# KiCad board mx-unsaver-main.kicad_pcb (continued)
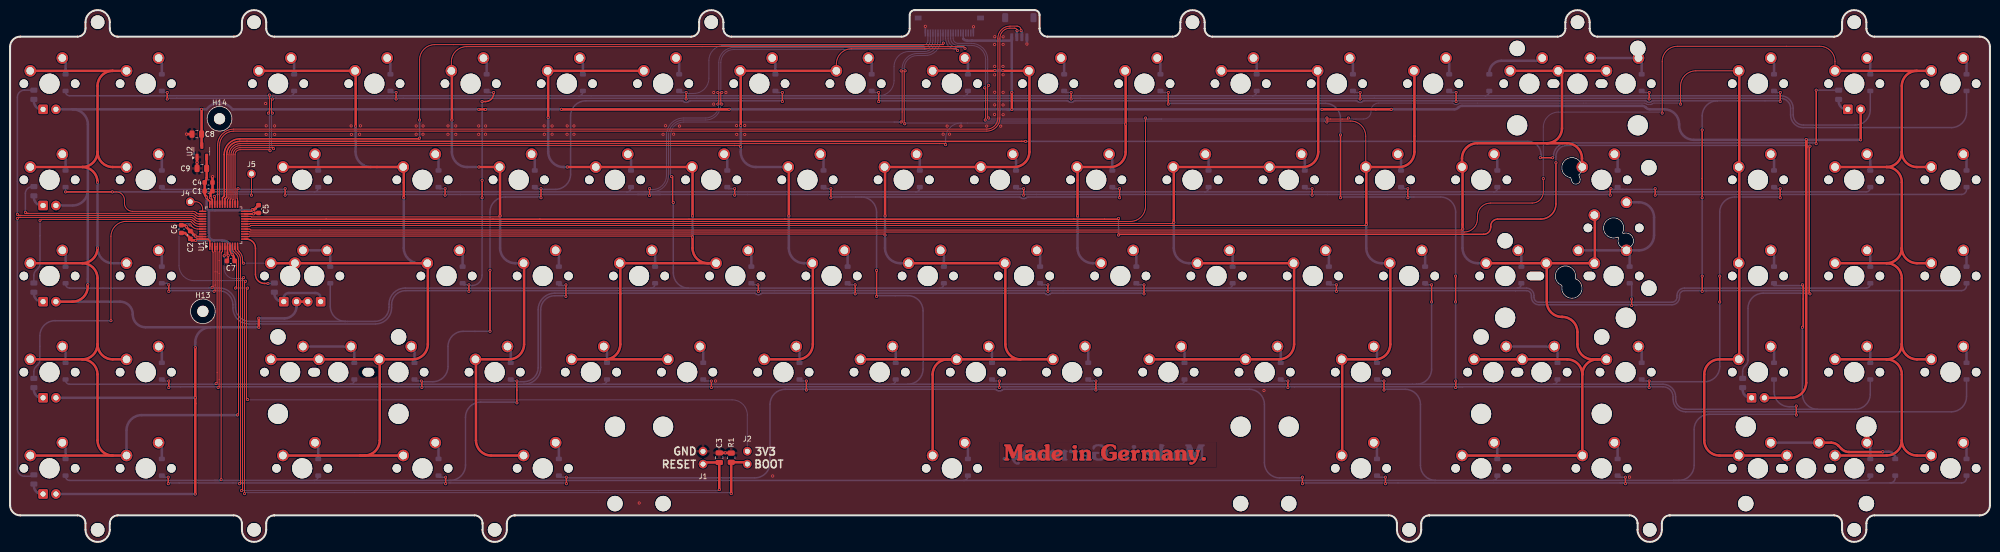
[diagram p0: board, top side]
## Footprints (pads in the part's own frame, mm; a bottom-side part is the same pattern mirrored in y, then rotated) (continued)
  round 3.988 hole 3.988 unplated: (-66.675,-8.255) (-57.15,-8.255) (57.15,-8.255) (66.675,-8.255)
SW_MX_1u_3pin
  round 3.988 hole 3.988 unplated: (0,0)
  round 2.3 hole 1.524: 1(-3.81,2.54) 2(2.54,5.08)
SW_MX_1u_NoHoles
  round 2.3 hole 1.524: 1(-3.81,2.54) 2(2.54,5.08)
SW_MX_1u_PCBMount
  round 1.702 hole 1.702 unplated: (-5.08,0) (5.08,0)
  round 3.988 hole 3.988 unplated: (0,0)
  round 2.3 hole 1.524: 1(-3.81,2.54) 2(2.54,5.08)
SW_MX_1u_PCBMount_NoLeft
  round 3.988 hole 3.988 unplated: (0,0)
  round 1.702 hole 1.702 unplated: (5.08,0)
  round 2.3 hole 1.524: 1(-3.81,2.54) 2(2.54,5.08)
SW_MX_1u_PCBMount_NoMiddle
  round 1.702 hole 1.702 unplated: (-5.08,0) (5.08,0)
  round 2.3 hole 1.524: 1(-3.81,2.54) 2(2.54,5.08)
SW_MX_1u_PCBMount_NoRight
  round 1.702 hole 1.702 unplated: (-5.08,0)
  round 3.988 hole 3.988 unplated: (0,0)
  round 2.3 hole 1.524: 1(-3.81,2.54) 2(2.54,5.08)

## Nets
+3V3: C1.1 C2.1 C4.1 C5.1 C6.1 C7.1 C9.1 J2.1 U1.1 U1.9 U1.24 U1.36 U1.48 U2.2
+5V: C8.1 D71.2 D72.2 D73.2 D78.2 D86.2 D87.2 D135.2 D136.2 D137.2 J3.1 J6.16 U2.3
GND: C1.2 C2.2 C3.2 C4.2 C5.2 C6.2 C7.2 C8.2 C9.2 J1.2 J3.4 J3.MP J6.1 J6.20 J6.MP R1.2 U1.8 U1.23 U1.35 U1.47 U2.1
BOOT0: J2.2 R1.1 U1.44
COL0: MX1.1 MX2.1 MX3.1 MX4.1 MX5.1 MX6.1 MX7.1 MX8.1 MX9.1 MX10.1 U1.10
COL1: MX11.1 MX12.1 MX13.1 MX14.1 MX15.1 MX16.1 MX17.1 MX18.1 MX19.1 MX20.1 MX121.1 MX122.1 U1.12
COL2: J6.10 MX26.1 MX27.1 MX28.1 MX29.1 MX30.1 U1.22
COL3: MX31.1 MX32.1 MX33.1 MX34.1 MX35.1 MX36.1 MX37.1 MX38.1 U1.14
COL4: J6.9 MX46.1 MX47.1 MX48.1 MX49.1 MX50.1 U1.28
COL5: MX51.1 MX52.1 MX53.1 MX54.1 MX55.1 MX56.1 MX57.1 MX58.1 MX59.1 MX60.1 U1.15
COL6: J6.7 MX67.1 MX68.1 MX69.1 U1.29
COL7: MX71.1 MX72.1 MX73.1 MX74.1 MX75.1 MX76.1 MX77.1 MX78.1 U1.19
COL8: J6.11 MX85.1 MX86.1 MX87.1 MX88.1 MX89.1 U1.18
COL9: MX91.1 MX92.1 MX93.1 MX94.1 MX95.1 MX96.1 MX97.1 MX98.1 MX99.1 MX100.1 MX123.1 MX124.1 MX125.1 MX126.1 U1.17
COL10: J6.12 MX106.1 MX107.1 MX108.1 MX109.1 MX110.1 MX127.1 U1.20
COL11: MX111.1 MX112.1 MX113.1 MX114.1 MX115.1 MX116.1 MX117.1 MX118.1 MX119.1 MX120.1 U1.16
D+: J3.3 U1.33
D-: J3.2 U1.32
LED_CAPS: R8.2 U1.13
LED_COM: J6.8 U1.31
LED_LAYER1: R19.2 U1.40
LED_LAYER2: R2.2 U1.39
LED_LAYER3: R3.2 U1.42
LED_LAYER4: R4.2 U1.43
LED_LAYER5: R6.2 U1.41
LED_NUM: R18.2 U1.21
LED_SCLK: R17.2 U1.30
NRST: C3.1 J1.1 U1.7
ROW0: D1.1 D11.1 D31.1 D51.1 D74.1 D102.1 D125.1 J6.5 U1.26
ROW1: D2.1 D12.1 D32.1 D52.1 D75.1 D103.1 D126.1 J6.2 U1.27
ROW2: D3.1 D13.1 D33.1 D53.1 D76.1 D104.1 D127.1 J6.3 U1.25
ROW3: D4.1 D14.1 D34.1 D54.1 D77.1 D105.1 D128.1 J6.4 U1.38
ROW4: D5.1 D15.1 D35.1 D55.1 D79.1 D112.1 D129.1 J6.6 U1.2
ROW5: D6.1 D16.1 D26.1 D36.1 D46.1 D56.1 D80.1 D93.1 D106.1 D120.1 D130.1 U1.3
ROW6: D7.1 D17.1 D27.1 D37.1 D47.1 D57.1 D67.1 D81.1 D94.1 D107.1 D121.1 D131.1 U1.5
ROW7: D8.1 D18.1 D28.1 D38.1 D48.1 D58.1 D68.1 D82.1 D95.1 D108.1 D122.1 D132.1 U1.4
ROW8: D9.1 D19.1 D29.1 D49.1 D59.1 D69.1 D96.1 D109.1 D123.1 D133.1 U1.6
ROW9: D10.1 D20.1 D30.1 D50.1 D60.1 D97.1 D110.1 D124.1 D134.1 U1.11
SWC: J4.1 U1.37
SWD: J5.1 U1.34
Net-(D1-A): D1.2 MX1.2
Net-(D2-A): D2.2 MX2.2
Net-(D3-A): D3.2 MX3.2
Net-(D4-A): D4.2 MX4.2
Net-(D5-A): D5.2 MX5.2
Net-(D6-A): D6.2 MX6.2
Net-(D7-A): D7.2 MX7.2
Net-(D8-A): D8.2 MX8.2
Net-(D9-A): D9.2 MX9.2
Net-(D10-A): D10.2 MX10.2
Net-(D11-A): D11.2 MX11.2
Net-(D12-A): D12.2 MX12.2
Net-(D13-A): D13.2 MX13.2
Net-(D14-A): D14.2 MX14.2
Net-(D15-A): D15.2 MX15.2 MX122.2
Net-(D16-A): D16.2 MX16.2
Net-(D17-A): D17.2 MX17.2
Net-(D18-A): D18.2 MX18.2 MX121.2
Net-(D19-A): D19.2 MX19.2
Net-(D20-A): D20.2 MX20.2
Net-(D26-A): D26.2 MX26.2
Net-(D27-A): D27.2 MX27.2
Net-(D28-A): D28.2 MX28.2
Net-(D29-A): D29.2 MX29.2
Net-(D30-A): D30.2 MX30.2
Net-(D31-A): D31.2 MX31.2
Net-(D32-A): D32.2 MX32.2
Net-(D33-A): D33.2 MX33.2
Net-(D34-A): D34.2 MX34.2
Net-(D35-A): D35.2 MX35.2
Net-(D36-A): D36.2 MX36.2
Net-(D37-A): D37.2 MX37.2
Net-(D38-A): D38.2 MX38.2
Net-(D46-A): D46.2 MX46.2
Net-(D47-A): D47.2 MX47.2
Net-(D48-A): D48.2 MX48.2
Net-(D49-A): D49.2 MX49.2
Net-(D50-A): D50.2 MX50.2
Net-(D51-A): D51.2 MX51.2
Net-(D52-A): D52.2 MX52.2
Net-(D53-A): D53.2 MX53.2
Net-(D54-A): D54.2 MX54.2
Net-(D55-A): D55.2 MX55.2
Net-(D56-A): D56.2 MX56.2
Net-(D57-A): D57.2 MX57.2
Net-(D58-A): D58.2 MX58.2
Net-(D59-A): D59.2 MX59.2
Net-(D60-A): D60.2 MX60.2
Net-(D67-A): D67.2 MX67.2
Net-(D68-A): D68.2 MX68.2
Net-(D69-A): D69.2 MX69.2
Net-(D71-K): D71.1 R2.1
Net-(D72-K): D72.1 R3.1
Net-(D73-K): D73.1 R4.1
Net-(D74-A): D74.2 MX71.2
Net-(D75-A): D75.2 MX72.2
Net-(D76-A): D76.2 MX73.2
Net-(D77-A): D77.2 MX74.2
Net-(D78-K): D78.1 D86.1 R8.1
Net-(D79-A): D79.2 MX75.2
Net-(D80-A): D80.2 MX76.2
Net-(D81-A): D81.2 MX77.2
Net-(D82-A): D82.2 MX78.2
Net-(D87-K): D87.1 R6.1
Net-(D93-A): D93.2 MX85.2
Net-(D94-A): D94.2 MX86.2
Net-(D95-A): D95.2 MX87.2
Net-(D96-A): D96.2 MX88.2
Net-(D97-A): D97.2 MX89.2
Net-(D102-A): D102.2 MX91.2
Net-(D103-A): D103.2 MX92.2 MX123.2
Net-(D104-A): D104.2 MX93.2
Net-(D105-A): D105.2 MX94.2
Net-(D106-A): D106.2 MX95.2 MX124.2 MX125.2
Net-(D107-A): D107.2 MX96.2
Net-(D108-A): D108.2 MX97.2 MX126.2
Net-(D109-A): D109.2 MX98.2
Net-(D110-A): D110.2 MX99.2
Net-(D112-A): D112.2 MX100.2
Net-(D120-A): D120.2 MX106.2
Net-(D121-A): D121.2 MX107.2
Net-(D122-A): D122.2 MX108.2
Net-(D123-A): D123.2 MX109.2
Net-(D124-A): D124.2 MX110.2 MX127.2
Net-(D125-A): D125.2 MX111.2
Net-(D126-A): D126.2 MX112.2
Net-(D127-A): D127.2 MX113.2
Net-(D128-A): D128.2 MX114.2
Net-(D129-A): D129.2 MX115.2
Net-(D130-A): D130.2 MX116.2
Net-(D131-A): D131.2 MX117.2
Net-(D132-A): D132.2 MX118.2
Net-(D133-A): D133.2 MX119.2
Net-(D134-A): D134.2 MX120.2
Net-(D135-K): D135.1 R18.1
Net-(D136-K): D136.1 R17.1
Net-(D137-K): D137.1 R19.1

Pads without a net: J6 13 14 15 17 18 19; U1 45 46

## Via types
v1: diameter 0.6, hole 0.3, Top to Bottom, 321 vias

## Routing (per net, layer and track width the routed paths; a pad name or vN(x,y) marks a point on that pad's centre or on a via; arc(x,y) is an arc through that point)
+3V3: length 189.5
  Top w0.2: v1(47,50.29) 46.81,50.29 46.8,50.28 46.8,28.2 v1(47,28.2) ; v1(44.6,50.29) 44.8,50.49 44.8,55.31 C7.1
  Top w0.3: v1(47.92,65.77) 47.92,65.76 47.95,65.74 47.7,65.49 U1.24 ; v1(36.73,59.74) 36.97,59.99 U1.48 39.18,59.99 39.52,59.64 U1.1 ; v1(38.89,68.31) 38.89,68.03 39.52,67.4 U1.36 ; U1.9 43.52,57.8 arc(43.6,57.42) 43.81,57.1 v1(43.94,56.96)
  Top w0.5: 44.3,55.64 44.3,56.2 arc(44.22,56.58) 44,56.91 v1(43.94,56.96) ; v1(36.73,59.74) 35.96,59.74 C2.1 35.67,60.14 34.62,61.19 C6.1 ; v1(38.89,68.31) 38.8,68.4 arc(38.58,68.72) 38.5,69.1 C1.1 C4.1 38.5,71.32 38.61,71.42 arc(38.82,71.75) 38.9,72.13 C9.1 U2.2 ; v1(47.92,65.77) 48.02,65.87 48.35,65.87 48.35,65.88 C5.1 ; 49.19,66.57 49.19,66.6
  Bottom w0.2: v1(44.6,50.29) v1(47,50.29) ; v1(47,28.2) 47,28.15 142.91,28.15 arc(145.03,27.27) 145.91,25.15 J2.1
  Bottom w0.5: 40.35,59.74 v1(36.73,59.74) ; 40.35,59.74 41.94,59.74 arc(43.36,59.16) 43.94,57.74 v1(43.94,56.96) ; 40.35,59.74 arc(39.64,60.04) 39.35,60.74 39.35,65.68 ; 47.95,65.74 47.9,65.68 39.35,65.68 ; 39.35,65.68 39.29,65.68 arc(39,65.8) 38.89,66.08 v1(38.89,68.31)
+5V: length 661.7
  Top w0.5: v1(36.65,38.46) v1(36.65,28.55) v1(36.65,9.49) ; 355.48,78.16 355.48,79.7 v1(355.49,79.7) ; 355.48,78.16 355.48,31.55 arc(354.6,29.42) 352.48,28.55 D135.2 ; 355.48,78.16 355.48,79.65 355.49,79.65 ; v1(15.37,50.94) 15.37,50.6 arc(14.49,48.47) 12.37,47.6 D72.2 ; D86.2 D78.2 56.69,47.11 ; v1(259.65,85.69) 273.35,85.69 v1(273.35,85.7) ; v1(198.26,89.03) v1(198.26,85.66) ; v1(49.22,42.53) 49.23,42.53 v1(49.23,44.33) ; D136.2 v1(366.26,79.65) ; v1(37.89,85.7) 37.9,85.7 C8.1 37.9,78.52 U2.3 ; v1(142.3,85.7) 142.3,85.68 109.13,85.68 v1(109.13,85.7) ; v1(92.77,85.69) 94.07,85.69 v1(94.07,85.68)
  Bottom w0.3: 188.66,99.64 188.64,99.64 J6.16
  Bottom w0.5: 38.93,85.72 arc(41.48,86.97) 44,85.67 44,85.7 92.77,85.7 v1(92.77,85.69) ; 15.37,69.35 15.37,50.94 v1(15.37,50.94) ; v1(49.23,44.33) 49.23,44.28 54.29,44.28 arc(55.99,44.98) 56.69,46.68 D78.2 ; 197.35,85.7 v1(142.3,85.7) ; 197.35,85.7 259.65,85.7 v1(259.65,85.69) ; 197.35,85.7 198.26,85.7 v1(198.26,85.66) ; 39.65,42.53 v1(49.22,42.53) ; 39.65,42.53 26.78,42.53 arc(25.01,43.26) 24.28,45.03 24.28,45.1 arc(23.55,46.86) 21.78,47.6 D72.2 ; 39.65,42.53 arc(37.53,41.65) 36.65,39.53 v1(36.65,38.46) ; 188.66,99.64 188.7,99.6 arc(189.02,99.38) 189.4,99.31 190.42,99.31 190.42,99.31 198.24,99.31 J3.1 198.24,89.03 v1(198.26,89.03) ; D73.2 v1(36.65,28.55) ; 38.92,85.7 v1(37.89,85.7) 12.39,85.7 ; v1(366.26,79.65) 333.22,79.65 arc(331.17,80.49) 330.32,82.55 330.32,82.8 arc(329.47,84.85) 327.42,85.7 324.52,85.7 arc(324.13,85.77) 323.81,85.99 323.72,86.08 arc(323.39,86.3) 323.01,86.38 287.37,86.38 arc(286.99,86.3) 286.67,86.08 286.57,85.99 arc(286.25,85.77) 285.87,85.7 v1(273.35,85.7) ; D87.2 36.65,9.5 v1(36.65,9.49) ; D71.2 12.39,66.65 arc(14.51,67.52) 15.39,69.65 15.39,82.7 arc(14.51,84.82) 12.39,85.7 ; 12.39,85.7 D137.2 ; 94.07,85.7 v1(109.13,85.7)
GND: length 29.6
  Top w0.2: 196.53,100.06 v1(196.53,100.06)
  Top w0.3: v1(36.73,60.59) 36.84,60.49 U1.47 ; 42.9,55.66 43.17,55.66 v1(43.17,56.76) 43.02,56.76 43.02,57.4 ; 43.02,57.4 43.02,56.97 ; 43.02,57.4 U1.8 ; v1(39.67,68.16) 40.02,67.82 U1.35 40.02,67.64 ; v1(48.18,64.99) U1.23 47.93,64.99
  Top w0.5: C3.2 v1(141.55,17.64) 142.72,17.64 R1.2 ; 39.67,68.16 39.67,69.12 C1.2 C4.2 40.05,72.32 v1(40.08,72.35) ; C9.2 v1(37,75.18) U2.1 ; C6.2 34.58,62.74 v1(34.89,62.43) 34.89,62.36 C2.2 36.66,60.59 v1(36.73,60.59) ; v1(48.18,64.99) 48.36,65.17 C5.2 ; C8.2 v1(34.92,80.79)
  Bottom w0.3: J6.20 190.64,102.05 v1(190.67,102.05) ; J6.1 181.14,102.14 v1(181.13,102.14) ; 143.81,82.47 v1(143.79,82.47) ; 145.4,82.49 v1(145.39,82.49) ; 139.26,86.72 v1(139.26,86.73) ; 139.2,89.03 v1(139.26,89.03)
  Bottom w0.5: J3.4 201.24,98.63 v1(201.24,98.63)
  vias: v1(50.57,86.84) v1(50.69,82.43) v1(50.68,80.73) v1(52.34,82.41) v1(52.37,80.74) v1(67.49,82.41) v1(67.55,80.73) v1(69.17,80.76) v1(69.34,82.42) v1(80.37,82.4) v1(80.36,80.76) v1(81.73,82.4) v1(81.72,80.77) v1(86.67,82.41) v1(86.66,80.76) v1(88.2,82.4) v1(88.21,80.75) v1(92.74,82.41) v1(92.75,80.75) v1(94.11,82.4) v1(94.09,80.77) v1(105.69,82.41) v1(105.73,80.76) v1(107.27,82.4) v1(107.27,80.77) v1(110.23,80.76) v1(110.25,82.41) v1(111.6,82.4) v1(111.6,80.76) v1(124.51,7.71) v1(129.23,80.75) v1(129.7,82.44) v1(131.32,80.77) v1(132.48,82.38) v1(139.6,31.88) v1(141.67,89.03) v1(143.81,80.74) v1(145.4,80.71) v1(150.93,13.06) v1(184.66,80.78) v1(185.45,82.38) v1(185.93,80.78) v1(188.18,82.38) v1(193.29,82.38) v1(194.89,100.08) v1(194.86,98.54) v1(194.87,94.21) v1(194.86,92.54) v1(194.87,89.08) v1(194.87,86.58) v1(194.85,84.68) v1(196.06,82.36) v1(196.53,98.55) v1(196.51,94.2) v1(196.53,92.54) v1(196.53,89.06) v1(196.52,86.56) v1(196.53,84.64) v1(248.16,30) v1(320.5,12.83)
BOOT0: length 176.5
  Top w0.2: 142.72,9.57 v1(142.72,9.57) ; v1(35.61,62.79) 35.68,62.79 36.02,62.45 arc(36.54,62.11) 37.15,61.99 U1.44 ; v1(46.4,9.57) 46.4,9.57 46.4,51.62 46.42,51.63 v1(46.6,51.63)
  Top w0.5: v1(142.72,9.57) 142.72,15.77 R1.1 145.91,15.77 J2.2
  Bottom w0.2: v1(46.4,9.57) 46.6,9.77 142.72,9.77 v1(142.72,9.57) ; 46.48,51.76 v1(46.6,51.63) 46.6,51.76 36.43,51.76 arc(34.31,52.63) 33.43,54.76 33.43,61.63 arc(33.84,62.62) 34.83,63.03 35.37,63.03 v1(35.61,62.79)
COL0: length 245.8
  Top w0.2: U1.10 44.02,57.99 arc(44.07,57.76) 44.2,57.56 44.79,56.96 arc(45.1,56.51) 45.2,55.97 45.2,25.16 v1(45,25.16)
  Top w0.5: 23.14,74.16 MX3.1 20.3,74.27 arc(18.18,75.14) 17.3,77.27 ; 20.3,93.32 MX1.1 3.99,92.99 4.09,92.88 ; 20.3,93.32 MX2.1 ; 20.3,93.32 arc(18.18,92.44) 17.3,90.32 17.3,77.27 ; 4.09,74.37 MX4.1 14.3,74.27 ; 17.3,39.17 17.3,52.22 arc(16.42,54.34) 14.3,55.22 ; 17.3,39.17 arc(16.42,37.04) 14.3,36.17 ; 17.3,39.17 arc(18.18,37.04) 20.3,36.17 MX7.1 23.14,36.06 ; 14.3,55.22 MX5.1 3.99,54.99 4.09,54.88 ; 14.3,55.22 arc(16.42,56.09) v1(17.3,58.22) ; 14.3,36.17 MX8.1 4.09,36.27 ; 14.3,36.17 arc(16.42,35.29) 17.3,33.17 17.3,20.12 arc(18.18,17.99) 20.3,17.12 ; 17.3,77.27 arc(16.42,75.14) 14.3,74.27 ; 20.3,17.12 MX10.1 23.14,17.22 ; 20.3,17.12 MX9.1 ; 14.3,74.27 arc(16.42,73.39) v1(17.3,71.27) ; 23.14,55.32 MX6.1
  Bottom w0.5: v1(17.3,71.27) v1(17.3,58.22) arc(18.18,56.09) 20.3,55.22 MX6.1 ; MX10.1 23.04,22.12 arc(23.92,24.24) 26.04,25.12 45,25.12 v1(45,25.16)
COL1: length 228.5
  Top w0.2: 45.02,58.24 U1.12 45.02,58.28 arc(45.1,57.9) 45.31,57.58 45.36,57.53 arc(45.84,56.81) 46,55.97 46,55.22 v1(46.2,55.22)
  Top w0.5: MX17.1 73.15,36.06 73.15,20.12 arc(72.27,17.99) 70.15,17.12 69.27,17.12 ; MX17.1 79.68,36.17 arc(81.8,37.04) 82.68,39.17 82.68,55.11 MX16.1 MX122.1 MX15.1 51.72,55.11 ; MX17.1 MX18.1 ; MX19.1 69.27,17.12 ; 69.27,17.12 MX20.1 ; 54.1,74.16 MX14.1 MX13.1 77.91,74.16 v1(77.91,68.18) ; 49.34,93.21 MX11.1 MX12.1 68.39,93.32 68.39,82.38 v1(68.38,82.38)
  Bottom w0.2: MX15.1 v1(46.2,55.22)
  Bottom w0.5: v1(77.91,68.18) 77.91,58.22 arc(78.79,56.09) 80.91,55.22 MX16.1 ; v1(68.38,82.38) 68.37,82.38 68.37,77.27 arc(69.25,75.14) 71.37,74.27 MX13.1 ; 54,74.78 MX14.1
COL2: length 266.2
  Top w0.2: U1.22 47.68,64.49 47.78,64.39 96.78,64.39 v1(96.98,64.59) ; MX26.1 87.33,95.11 arc(88.21,97.23) 90.33,98.11 188.64,98.11 arc(188.89,98) v1(189,97.75)
  Top w0.5: MX28.1 101.73,55.11 101.73,39.17 arc(100.85,37.04) 98.73,36.17 MX29.1 92.2,36.06 92.2,20.12 arc(93.08,17.99) 95.2,17.12 MX30.1 ; MX27.1 96.96,74.27 96.96,64.6 v1(96.98,64.59) ; MX27.1 96.96,74.16 ; MX27.1 v1(92.77,74.27) ; v1(87.44,83.57) 87.44,93.21 MX26.1
  Bottom w0.2: J6.10 185.64,99.75 arc(186.17,98.47) 187.44,97.95 189,97.95 v1(189,97.75)
  Bottom w0.5: v1(92.77,74.27) 90.44,74.27 arc(88.32,75.14) 87.44,77.27 v1(87.44,83.57) ; MX28.1 99.98,55.22 arc(97.86,56.09) 96.98,58.22 v1(96.98,64.59)
COL3: length 235.7
  Top w0.2: U1.14 47.33,60.49 47.43,60.59 135.06,60.59 v1(135.06,60.39)
  Top w0.5: MX32.1 MX31.1 106.49,93.21 v1(106.49,84.08) ; MX38.1 117.78,36.17 ; 117.78,36.17 MX37.1 ; 117.78,36.17 arc(119.9,37.04) 120.78,39.17 120.78,55.11 MX35.1 MX36.1 138.06,55.22 arc(135.94,56.09) 135.06,58.22 v1(135.06,60.39) ; MX33.1 MX34.1 v1(110.28,74.27) ; MX33.1 135.06,74.16 v1(135.06,64.59) ; MX33.1 135.06,74.27
  Bottom w0.5: v1(110.28,74.27) 109.5,74.27 arc(107.38,75.14) 106.5,77.27 106.5,84.08 v1(106.49,84.08) ; v1(135.06,64.59) v1(135.06,60.39)
COL4: length 240.5
  Top w0.2: v1(144.6,78.3) 144.4,78.5 45.52,78.5 arc(44.25,77.97) 43.72,76.7 43.72,67.96 43.52,67.75 U1.28 ; MX46.1 163.53,94.7 arc(164.41,96.82) 166.53,97.7 187.18,97.7 arc(187.42,97.59) v1(187.53,97.35)
  Top w0.5: 154.12,74.27 MX48.1 154.13,74.14 v1(154.13,64.59) ; v1(144.59,82.47) 144.6,82.47 144.6,93.32 MX47.1 MX46.1 ; MX50.1 155.88,36.17 arc(158,37.04) 158.88,39.17 158.88,55.22 MX49.1
  Bottom w0.2: J6.9 185.14,99.75 arc(185.79,98.19) 187.34,97.55 187.34,97.35 v1(187.53,97.35)
  Bottom w0.5: v1(154.13,64.59) 154.13,64.5 154.12,64.49 154.12,58.22 arc(155,56.09) 157.12,55.22 MX49.1 ; MX48.1 147.6,74.27 arc(145.48,75.14) 144.6,77.27 144.6,82.47 v1(144.59,82.47)
COL5: length 315.8
  Top w0.2: v1(173.16,60.79) 173.16,60.99 U1.15
  Top w0.5: MX57.1 MX58.1 ; MX57.1 199.98,36.17 ; MX57.1 185.58,36.17 arc(183.46,35.29) 182.58,33.17 MX59.1 ; v1(173.17,64.59) 173.17,74.15 MX54.1 ; MX54.1 MX53.1 198.74,74.27 arc(200.86,75.14) 201.74,77.27 201.74,93.32 MX52.1 196.5,93.32 v1(196.5,93.38) ; MX54.1 173.16,74.27 ; MX55.1 MX56.1 196.98,55.22 196.98,39.17 arc(197.85,37.04) 199.98,36.17 ; v1(194.9,93.38) 194.9,93.32 MX51.1 ; 199.98,36.17 MX60.1
  Bottom w0.5: v1(194.9,93.38) v1(196.5,93.38) ; v1(173.17,64.59) 173.16,64.58 v1(173.16,60.79) 173.16,58.22 arc(174.04,56.09) 176.16,55.22 MX55.1
COL6: length 276.6
  Top w0.2: v1(185.16,78.7) 184.96,78.9 45.52,78.9 arc(43.96,78.25) 43.32,76.7 43.32,68.12 43.02,67.82 U1.29 ; 176.95,82.78 176.95,93.33 v1(177.15,93.33)
  Top w0.5: MX68.1 217.79,74.27 arc(219.91,75.14) 220.79,77.27 v1(220.79,82.77) 220.79,93.32 MX67.1 ; MX68.1 211.26,74.16 211.26,64.59 v1(211.26,64.59) ; MX68.1 211.26,74.27
  Bottom w0.2: 188.31,82.98 177.07,82.98 v1(177.07,82.82) ; 188.31,82.98 220.79,82.98 v1(220.79,82.77) ; 188.31,82.98 188.17,82.98 arc(186.05,82.1) 185.17,79.98 185.17,78.71 v1(185.16,78.7) ; v1(177.15,93.33) 176.95,93.33 176.95,93.76 arc(177.71,95.59) 179.55,96.36 181.14,96.36 arc(183.27,97.23) 184.14,99.36 J6.7
  Bottom w0.5: v1(211.26,64.59) 211.26,64.58 211.26,58.22 arc(212.14,56.09) 214.26,55.22 MX69.1
COL7: length 337.9
  Top w0.2: v1(230.32,63.29) 230.32,63.09 47.47,63.09 47.37,62.99 U1.19
  Top w0.5: MX71.1 MX72.1 258.9,93.32 258.9,77.27 arc(258.02,75.14) 255.9,74.27 MX73.1 MX74.1 230.31,74.27 230.31,63.29 v1(230.32,63.29) ; MX78.1 MX77.1 251.13,36.17 arc(253.25,37.04) 254.13,39.17 254.13,55.22 MX76.1 MX75.1
  Bottom w0.5: MX75.1 233.31,55.22 arc(231.19,56.09) 230.31,58.22 230.31,63.29 v1(230.32,63.29)
COL8: length 426.7
  Top w0.2: v1(192.99,83.58) 193.08,83.58 193.08,89.96 v1(192.88,89.96) ; v1(268.41,62.89) 268.41,62.69 48.06,62.69 ; v1(260.6,83.18) 260.6,83.38 265.31,83.38 arc(267.43,82.5) 268.31,80.38 MX86.1 ; 48.06,62.69 48.06,62.68 47.63,62.68 47.44,62.49 U1.18 ; 48.06,62.69 47.75,62.69
  Top w0.5: v1(268.41,62.89) 268.41,62.89 268.41,74.27 MX86.1 274.94,74.27 arc(277.06,75.14) 277.94,77.27 277.94,93.32 MX85.1 ; MX89.1 263.65,17.12 263.65,36.17 MX88.1 270.18,36.17 arc(272.3,37.04) 273.18,39.17 273.18,55.22 MX87.1
  Bottom w0.2: 260.08,83.38 192.99,83.38 v1(192.99,83.58) ; 260.08,83.38 260.83,83.38 ; 260.08,83.38 260.6,83.38 v1(260.6,83.18) ; v1(192.88,89.96) 193.08,89.96 193.08,95.55 arc(192.26,97.52) 190.28,98.35 187.54,98.35 arc(186.55,98.76) 186.14,99.75 J6.11
  Bottom w0.5: v1(268.41,62.89) 268.41,62.89 268.41,58.22 arc(269.29,56.09) 271.41,55.22 MX87.1
COL9: length 458.3
  Top w0.2: U1.17 47.44,61.99 47.64,61.79 287.52,61.79 v1(287.52,61.99)
  Top w0.5: v1(287.52,61.99) 287.46,61.99 287.46,74.27 MX94.1 287.36,75.98 arc(288.24,78.1) 290.36,78.98 304.15,78.98 ; 311.17,33.17 MX99.1 MX98.1 ; 311.17,33.17 arc(312.05,35.29) 314.17,36.17 MX96.1 313.2,36.17 arc(311.08,37.04) 310.2,39.17 310.2,41.58 arc(309.32,43.7) 307.2,44.58 307.13,44.58 arc(305.01,45.45) 304.13,47.58 304.13,55.22 MX124.1 ; 311.17,33.17 arc(310.29,35.29) 308.17,36.17 MX126.1 MX97.1 ; MX123.1 307.15,93.32 307.15,81.98 arc(306.27,79.85) 304.15,78.98 ; 311.1,74.18 311.1,75.98 arc(310.22,78.1) 308.1,78.98 304.15,78.98 ; MX100.1 MX95.1 313.66,55.22 313.66,64.74 MX125.1 ; MX92.1 MX91.1
  Bottom w0.5: MX100.1 290.46,55.22 arc(288.34,56.09) 287.46,58.22 287.46,61.99 v1(287.52,61.99)
COL10: length 477.4
  Top w0.2: v1(264.89,83.98) 264.69,83.78 260.62,83.78 v1(260.62,83.98) ; 193.48,83.98 193.48,90.46 v1(193.68,90.46) ; MX106.1 333.62,93.32 arc(331.5,92.44) 330.62,90.32 v1(330.62,86.73) ; v1(224.72,83.98) 224.72,66.49 arc(223.84,64.36) 221.72,63.49 U1.20
  Top w0.5: 342.23,74.27 342.23,55.22 ; 342.23,74.27 MX107.1 ; 342.23,74.27 342.23,93.32 MX106.1 ; 342.23,55.22 MX108.1 ; 342.23,55.22 342.23,36.17 MX109.1 338.3,36.17 arc(336.18,35.29) 335.3,33.17 335.3,20.12 arc(336.18,17.99) 338.3,17.12 MX110.1 MX127.1
  Bottom w0.2: v1(264.89,83.98) 265.09,83.78 267.86,83.78 arc(268.92,84.21) 269.36,85.28 269.36,85.43 arc(269.8,86.49) 270.86,86.93 285.43,86.93 arc(285.62,86.89) 285.78,86.78 285.79,86.78 arc(285.95,86.67) 286.14,86.63 286.23,86.63 arc(286.42,86.67) 286.58,86.78 286.59,86.78 arc(286.75,86.89) 286.94,86.93 323.44,86.93 arc(323.63,86.89) 323.8,86.78 323.8,86.78 arc(323.96,86.67) 324.15,86.63 324.65,86.63 arc(324.84,86.67) 325,86.78 325.01,86.78 arc(325.17,86.89) 325.36,86.93 330.42,86.93 v1(330.62,86.73) ; J6.12 186.64,99.76 arc(186.94,99.05) 187.64,98.76 190.28,98.76 arc(192.54,97.82) 193.48,95.56 193.48,90.46 v1(193.68,90.46) ; v1(260.62,83.98) 260.62,83.78 227.91,83.78 ; 193.68,83.78 v1(193.68,83.98) ; 193.68,83.78 227.91,83.78 ; 193.68,83.78 193.48,83.98 ; 227.91,83.78 224.72,83.78 v1(224.72,83.98)
COL11: length 529.7
  Top w0.2: U1.16 47.37,61.49 47.47,61.39 287.81,61.39 arc(289.65,62.15) 290.41,63.99 290.41,64.53 arc(291.17,66.36) 293.01,67.13 301.25,67.13 arc(302.81,67.77) 303.45,69.33 v1(303.45,71.97) ; v1(326.98,84.95) 326.98,95.19 arc(327.86,97.31) 329.98,98.19 358.18,98.19 arc(360.3,97.31) 361.18,95.19 MX111.1
  Top w0.5: MX112.1 377.4,93.32 ; 377.4,93.32 MX111.1 ; 377.4,93.32 arc(375.28,92.44) 374.4,90.32 374.4,77.27 ; MX120.1 377.4,17.12 arc(375.28,17.99) 374.4,20.12 ; 374.4,58.22 374.4,71.27 arc(373.52,73.39) 371.4,74.27 ; 374.4,58.22 arc(375.28,56.09) 377.4,55.22 MX116.1 ; 374.4,58.22 arc(373.52,56.09) 371.4,55.22 ; MX118.1 371.4,36.17 ; 371.4,36.17 arc(373.52,37.04) 374.4,39.17 ; 371.4,36.17 arc(373.52,35.29) 374.4,33.17 374.4,20.12 ; MX114.1 371.4,74.27 ; 371.4,74.27 arc(373.52,75.14) 374.4,77.27 ; MX117.1 377.4,36.17 arc(375.28,37.04) 374.4,39.17 ; MX119.1 371.4,17.12 arc(373.52,17.99) 374.4,20.12 ; MX115.1 371.4,55.22 ; 371.4,55.22 arc(373.52,54.34) 374.4,52.22 374.4,39.17 ; MX113.1 377.4,74.27 arc(375.28,75.14) 374.4,77.27
  Bottom w0.2: v1(326.98,84.95) 326.78,85.15 306.45,85.15 arc(304.33,84.27) 303.45,82.15 v1(303.45,71.97)
D+: length 192.9
  Top w0.2: U1.33 41.07,66.95 41.07,78.58 arc(42.01,80.84) 44.27,81.78 193.3,81.78 arc(194.86,82.42) 195.5,83.98 195.5,99.78 arc(196.2,101.47) 197.9,102.18 199.3,102.18 arc(199.87,101.94) 200.1,101.38 v1(200.1,101.28)
  Bottom w0.2: 200.2,99.98 J3.3
  Bottom w0.5: J3.3 200.24,101.13 v1(200.1,101.28)
D-: length 191.2
  Top w0.2: U1.32 41.47,66.95 41.47,78.58 arc(42.29,80.55) 44.27,81.38 193.3,81.38 arc(195.14,82.14) 195.9,83.98 195.9,99.78 arc(196.49,101.19) 197.9,101.78 198.8,101.78 arc(199.15,101.63) v1(199.3,101.28)
  Bottom w0.5: v1(199.3,101.28) 199.24,101.22 J3.2
LED_CAPS: length 13.2
  Top w0.3: v1(51.04,51.2) 50.36,51.2 arc(49.09,51.72) 48.56,53 48.56,58.19 arc(48.03,59.46) 46.76,59.99 U1.13
  Bottom w0.3: R8.2 52.3,51.2 v1(51.04,51.2)
LED_COM: length 173.7
  Top w0.2: v1(184.7,98.81) 184.7,98.51 84.05,98.51 arc(81.93,97.63) 81.05,95.51 v1(81.05,83.57)
  Top w0.3: U1.31 42.02,68.18 42.37,68.53 42.37,76.75 arc(43.28,78.94) 45.47,79.85 80.9,79.85 v1(81.05,80)
  Bottom w0.2: J6.8 184.64,98.87 arc(184.66,98.82) v1(184.7,98.81)
  Bottom w0.3: v1(81.05,80) v1(81.05,83.57)
LED_LAYER1: length 65
  Top w0.2: 2.16,64.69 35.84,64.69 arc(36.22,64.61) 36.55,64.4 36.73,64.22 arc(36.99,64.05) 37.29,63.99 U1.40 ; 2.16,64.69 1.62,64.69 ; 2.16,64.69 1.64,64.69 v1(1.44,64.89)
  Bottom w0.3: 1.44,65.26 1.44,64.87 ; 1.44,65.26 1.44,65.04 ; 1.44,65.26 1.44,88.09 arc(1.85,89.08) 2.84,89.49 R19.2
LED_LAYER2: length 42.1
  Top w0.2: 3.57,65.09 3.02,65.09 3.02,65.1 ; 3.57,65.09 36.01,65.09 arc(36.39,65.01) 36.71,64.8 36.85,64.66 arc(37.05,64.53) 37.28,64.49 U1.39 ; 3.57,65.09 3.22,65.09 v1(3.02,65.29)
  Bottom w0.3: R2.2 4.42,70.39 arc(3.43,69.98) 3.02,68.99 v1(3.02,65.29)
LED_LAYER3: length 45.4
  Top w0.2: U1.42 37.33,62.99 arc(36.87,63.08) 36.48,63.34 36.1,63.71 arc(35.91,63.84) 35.68,63.89 6.11,63.89 v1(5.91,63.69)
  Bottom w0.3: v1(5.91,63.69) 5.91,55.14 arc(5.8,54.61) 5.5,54.15 5.11,53.77 arc(4.81,53.31) 4.7,52.78 R3.2
LED_LAYER4: length 61.5
  Top w0.2: U1.43 37.34,62.49 arc(36.81,62.59) 36.35,62.9 35.82,63.43 arc(35.75,63.47) 35.68,63.49 22.96,63.49 arc(20.84,62.61) 19.96,60.49 v1(19.96,43.83)
  Bottom w0.3: v1(19.96,43.83) 8.89,43.83 arc(6.77,42.95) 5.89,40.83 5.89,36.06 arc(5.78,35.53) 5.48,35.07 5.11,34.71 arc(4.81,34.25) 4.7,33.72 R4.2 4.7,32.35
LED_LAYER5: length 91.4
  Top w0.2: 2.05,64.29 1.66,64.29 ; 2.05,64.29 1.63,64.29 v1(1.43,64.09) ; 2.05,64.29 35.68,64.29 arc(36.06,64.21) 36.38,64 36.6,63.78 arc(36.93,63.56) 37.31,63.49 U1.41
  Bottom w0.3: v1(1.43,64.09) 1.44,64.07 1.44,14.41 arc(1.86,13.42) 2.84,13.01 4.7,13.01 R6.2
LED_NUM: length 385.4
  Top w0.3: v1(219.37,60.79) 219.37,60.94 291.64,60.94 arc(292.63,61.35) 293.04,62.34 293.04,62.56 arc(293.45,63.54) 294.44,63.96 302.95,63.96 arc(305.07,64.83) 305.95,66.96 v1(305.95,75.13) ; v1(219.38,64.09) 219.38,63.94 47.6,63.94 47.55,63.98 U1.21 ; v1(356.23,49.13) 356.08,49.28 356.08,78.25 v1(356.23,78.4)
  Bottom w0.3: v1(305.95,75.13) 305.95,76.35 arc(306.59,77.9) 308.15,78.55 356.08,78.55 v1(356.23,78.4) ; v1(219.38,64.09) 219.38,60.79 v1(219.37,60.79) ; R18.2 342.9,33.79 arc(343.01,34.32) 343.31,34.78 343.55,35.01 arc(343.85,35.47) 343.96,36 343.96,46.28 arc(344.84,48.4) 346.96,49.28 356.23,49.28 v1(356.23,49.13)
LED_SCLK: length 345.4
  Top w0.3: v1(302.85,76.12) 305.3,76.12 v1(305.3,76.1) ; U1.30 42.52,67.96 42.87,68.31 42.87,76.75 arc(43.63,78.58) 45.47,79.35 v1(200.99,79.35) ; v1(357.45,78.9) 357.46,78.9 v1(357.46,89.49)
  Bottom w0.3: R17.2 v1(357.46,89.49) ; v1(357.45,78.9) 357.3,79.05 308.15,79.05 arc(306.24,78.25) 305.45,76.35 305.45,76.1 v1(305.3,76.1) ; v1(200.99,79.35) 300.4,79.35 arc(302.24,78.58) 303,76.75 303,76.12 v1(302.85,76.12)
NRST: length 155.6
  Top w0.2: v1(42.37,56.68) 42.52,56.83 U1.7 ; v1(46.2,52.36) 46,52.16 46,10.37 v1(45.8,10.17)
  Top w0.5: J1.1 137.14,15.74 C3.1 140.36,10.37 v1(140.36,10.37)
  Bottom w0.2: v1(45.8,10.17) 140.36,10.17 v1(140.36,10.37) ; v1(46.2,52.36) 46,52.16 44.37,52.16 arc(42.96,52.74) 42.37,54.16 v1(42.37,56.68)
ROW0: length 424
  Top w0.2: U1.26 44.52,76.7 arc(44.81,77.4) 45.52,77.7 51.25,77.7 v1(51.45,77.5) 51.45,77.7 ; v1(51.32,88.53) 51.32,84.95 v1(51.12,84.95)
  Bottom w0.2: v1(51.12,84.95) 51.32,84.74 51.32,77.63 v1(51.45,77.5) ; J6.5 183.14,99.36 arc(182.5,97.8) 180.94,97.16 177.95,97.16 arc(175.83,96.28) 174.95,94.16 174.95,91.38 arc(174.07,89.26) 171.95,88.38
  Bottom w0.3: D31.1 113.37,89.18 arc(113.13,88.62) 112.57,88.38 ; 55.42,88.38 112.57,88.38 ; 55.42,88.38 51.9,88.38 ; 55.42,88.38 arc(55.98,88.62) 56.22,89.18 D11.1 ; 112.57,88.38 188.8,88.38 ; 51.9,88.38 11.77,88.38 arc(11.21,88.62) 10.97,89.18 D1.1 ; 51.9,88.38 51.32,88.38 v1(51.32,88.53) ; 188.8,88.38 245.92,88.38 ; 188.8,88.38 arc(189.37,88.62) 189.6,89.18 189.6,89.33 D51.1 ; D102.1 292.76,89.18 arc(292.52,88.62) 291.96,88.38 ; 245.92,88.38 291.96,88.38 ; 245.92,88.38 arc(246.48,88.62) 246.72,89.18 D74.1 ; 291.96,88.38 350.4,88.38 arc(352.17,87.65) 352.9,85.88 352.9,84.58 arc(353.49,83.16) 354.9,82.58 365.16,82.58 arc(367.28,83.45) 368.16,85.58 D125.1
ROW1: length 471.1
  Top w0.2: v1(51.92,84.95) 51.72,84.95 51.72,87.73 v1(51.93,87.73) ; U1.27 44.02,67.69 44.12,67.79 44.12,76.7 arc(44.53,77.68) 45.52,78.1 51.94,78.1 v1(52.14,77.9) 52.14,78.1
  Top w0.3: v1(267.2,87.73) v1(267.2,89.03) ; v1(133.8,87.73) v1(133.8,89.03) ; v1(210,87.73) v1(210,89.03) ; v1(76.4,87.73) v1(76.4,89.03) ; v1(31.1,89.03) v1(31.1,87.73) ; v1(324.4,87.73) v1(324.4,89.03)
  Bottom w0.2: J6.2 181.64,99.36 arc(181.35,98.65) 180.64,98.36 141.3,98.36 arc(139.18,97.48) 138.3,95.36 138.3,91.84 arc(137.42,89.71) 135.3,88.84 133.8,88.84 v1(133.8,89.03) ; v1(52.14,77.9) 52.01,78.02 arc(51.8,78.35) 51.72,78.73 51.72,84.73 ; v1(51.92,84.95) 51.92,84.93 51.72,84.73 ; 51.72,84.73 51.72,84.95
  Bottom w0.3: v1(267.2,89.03) 266.07,89.03 D75.1 ; D2.1 30.02,89.03 v1(31.1,89.03) ; D103.1 323.22,89.03 v1(324.4,89.03) ; D12.1 75.57,89.03 v1(76.4,89.03) ; 52.71,87.88 76.25,87.88 v1(76.4,87.73) 76.55,87.88 133.65,87.88 v1(133.8,87.73) 133.8,87.88 133.81,87.88 209.85,87.88 v1(210,87.73) 210,87.78 210.11,87.88 267.05,87.88 v1(267.2,87.73) 267.2,87.78 267.31,87.88 324.25,87.88 v1(324.4,87.73) 324.4,87.78 324.51,87.88 350.39,87.88 arc(351.81,87.3) 352.39,85.88 352.39,84.58 arc(353.13,82.81) 354.89,82.08 384.21,82.08 arc(386.33,82.95) 387.21,85.08 D126.1 ; 52.71,87.88 51.93,87.88 v1(51.93,87.73) ; 52.71,87.88 31.11,87.88 31.1,87.88 v1(31.1,87.73) ; D52.1 208.92,89.03 v1(210,89.03) ; D32.1 132.72,89.03 v1(133.8,89.03)
